# Altium PCB RX8 GPS engine.PcbDoc
Units mm, origin at the board's own origin, x right, y up, seen from the top; angles counter-clockwise.
Board outline 100 x 33 mm, 2 copper layers (Top, Bottom), stack 1.57 mm thick; 53 components, 33 nets, 159 pads, 10 vias.
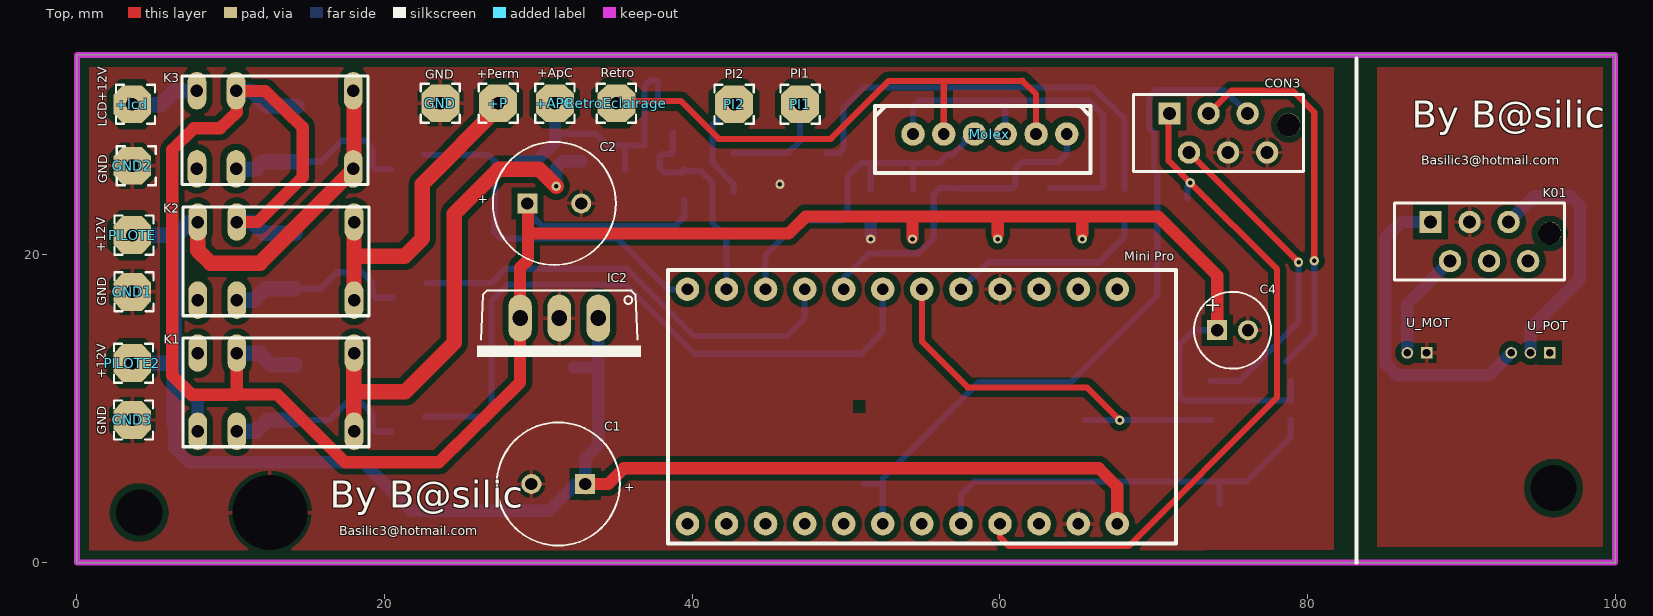
[diagram p0: Top view]
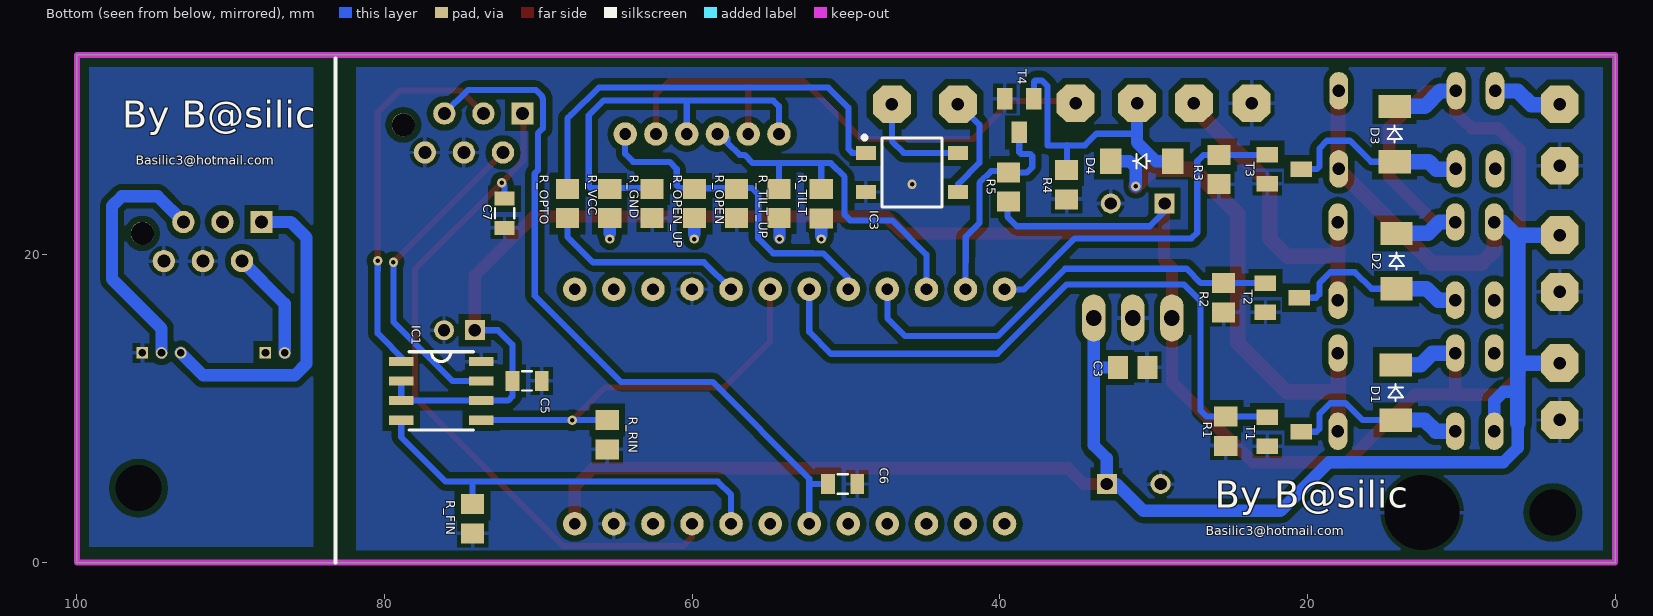
[diagram p1: Bottom view, seen from below]
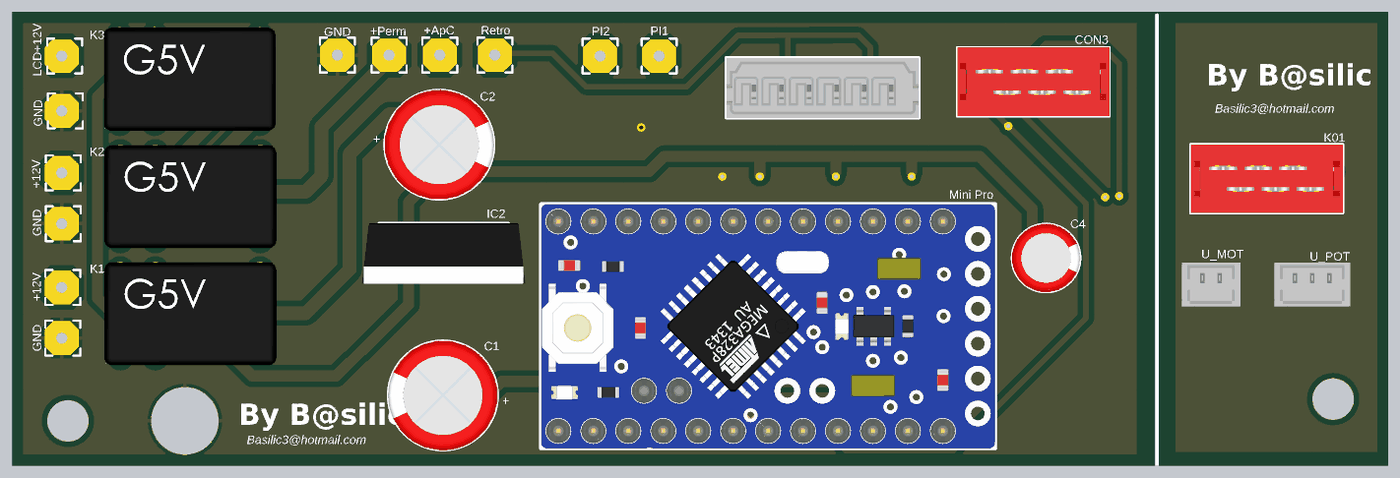
[diagram p2: 3D render of the assembled board from above, using the file's embedded part models]
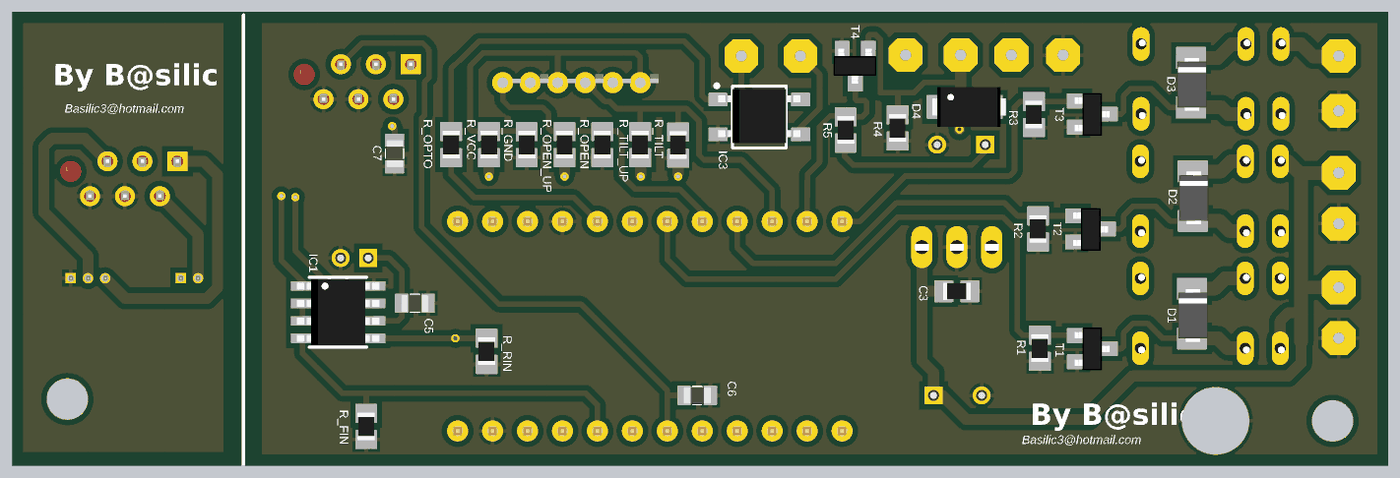
[diagram p3: 3D render of the assembled board from below, using the file's embedded part models]

## Layer stack, top to bottom
Top Solder: solder mask 0.0102, Solder Resist, Dk 3.5
Top: signal copper 0.035
Dielectric 1: core 1.5, FR-4, Dk 4.8
Bottom: signal copper 0.035
Bottom Solder: solder mask 0.0102, Solder Resist, Dk 3.5

## Board outline
0,0 0,33 100,33 100,0

## Design rules (kind name [scope] priority, off if disabled: settings)
AssemblyTestPointUsage SilkToBoardRegionClearance_1 [All] p2:
AssemblyTestPointUsage SilkToBoardRegionClearance_2 [All] p3:
AssemblyTestpoint [All] p1: testpointundercomponent=TRUE minsize=0.6 maxsize=2.54 preferedsize=1.524 minholesize=0 maxholesize=1.016 preferedholesize=0.813 testpointgrid=0.025 usegrid=TRUE gridtolerance=0 allowsidetop=TRUE allowsidebottom=TRUE
BoardOutlineClearance [All] p1: gap=0.8 ignorepadtopadclearanceinfootprint=FALSE
Clearance Clearance_Default [All] p1: gap=0.4 ignorepadtopadclearanceinfootprint=FALSE except(0: Arc-Hole Track-Hole SMDPad-Hole THPad-Hole Via-Hole Fill-Hole Poly-Hole Region-Hole Text-Hole)
ComponentClearance [all and (Testpoint = 'false') vs all and (Testpoint = 'false')] p1: gap=1 collisioncheckmode=3 verticalgap=1 showdistances=TRUE
FabricationTestpoint [All] p1: side=3 testpointundercomponent=TRUE minsize=0.6 maxsize=2.54 preferedsize=1.524 minholesize=0 maxholesize=1.016 preferedholesize=0.813 testpointgrid=0.025 allowsidetop=TRUE allowsidebottom=TRUE usegrid=TRUE gridtolerance=0
HoleSize [All] p1: absolutevalues=TRUE maxlimit=6.35 minlimit=0.3 maxpercent=80.000 minpercent=20.000
MatchedLengths DiffPair_DIFF100MatchedLengths [InDifferentialPairClass('DIFF100')] p1: tolerance=0.152 checknetsindiffpair=TRUE checkdiffpairvsdiffpair=FALSE checkxsignals=FALSE checkothers=FALSE
MinimumSolderMaskSliver [All] p1: minsoldermaskwidth=0.1
MinimumSolderMaskSliver SilkscreenOverComponentPads_2 [All] p2: minsoldermaskwidth=0.254
MinimumSolderMaskSliver SilkToSolderMaskClearance_1 [IsPad] p3: minsoldermaskwidth=0.254
MinimumSolderMaskSliver SilkscreenOverComponentPads_1 [All] p4: minsoldermaskwidth=0.254
MinimumSolderMaskSliver SilkToSolderMaskClearance [IsPad] p5: minsoldermaskwidth=0.254
MinimumSolderMaskSliver SilkscreenOverComponentPads [All] p6: minsoldermaskwidth=0.254
PasteMaskExpansion [All] p1: expansion=0.05
PolygonConnect [All] p1: thpad.connectstyle=Relief thpad.reliefconductorwidth=0.254 thpad.reliefentries=4 thpad.polygonreliefangle="90 Angle" thpad.airgapwidth=0.254 smdpad.connectstyle=Relief smdpad.reliefconductorwidth=0.254 smdpad.reliefentries=4 smdpad.polygonreliefangle="90 Angle" smdpad.airgapwidth=0.254 via.connectstyle=Direct via.reliefconductorwidth=0.254 via.reliefentries=4 via.polygonreliefangle="90 Angle" via.airgapwidth=0.254
RoutingVias [All] p1: holewidth=0.25 width=0.6 viastyle="Through Hole" minholewidth=0.2 minwidth=0.55 maxholewidth=0.25 maxwidth=0.6
ShortCircuit ShortCircuit_1 [All] p1: allowed=FALSE
SilkToSilkClearance [All] p1: silktosilkclearance=0.05
SilkToSolderMaskClearance SilkToSolderMaskClearance_2 [IsPad] p1: minsilkscreentomaskgap=0.01 clearancetoexposedcopper=TRUE
SolderMaskExpansion [All] p1: expansion=0
Width Width_Standard [All] p1: maxlimit=2.54 minlimit=0.4 preferedwidth=1 minimp=50.000000 maximp=50.000000 favimp=50.000000
Width Width_1 [All] p2 off: maxlimit=0.254 minlimit=0.254 preferedwidth=0.254
21 further rules are at their usual default settings.

## Components (designator, comment, footprint, x,y, rotation, side; value= is the part's Value field where it differs from the comment)
+APC "+ApC" 2,54/0,8#1 31.077,29.859 r0 top locked
+lcd "LCD+12V" 2,54/0,8#2 3.81,29.793 r180 top
+P "+Perm" 2,54/0,8#1 27.385,29.859 r0 top locked
C1 "16 Vdc, 330 uF" WCAP-ATG8_8x11.5x3.5 31.297,5.104 r0 top value="330 uF"
C2 "16 Vdc, 330 uF" WCAP-ATG8_8x11.5x3.5 31.038,23.342 r180 top locked value="330 uF"
C3 "100nf" C0805 31.358,12.682 r180 bottom
C4 "10 Vdc, 33 uF" WCAP-ATG8_5x11x2 75.132,15.1 r180 top value="33 uF"
C5 "10V, 1uF" "0805_2x1.25x1.25mm_Reflow Soldering" 70.733,11.805 r0 bottom value=1uF
C6 "10V, 10nF" "0805_2x1.25x1.25mm_Reflow Soldering" 50.215,5.104 r0 bottom value=1uF
C7 "10V, 1uF" "0805_2x1.25x1.25mm_Reflow Soldering" 72.2,22.703 r90 bottom value=1uF
CON3 "690207100672" 690207100672 74.204,27.922 r0 top locked
D1 "BAV20W-7-F" SOD-123_MINI-SMA 14.268,11.05 r270 bottom
D2 "BAV20W-7-F" SOD-123_MINI-SMA 14.208,19.598 r270 bottom locked
D3 "BAV20W-7-F" SOD-123_MINI-SMA 14.335,27.853 r270 bottom locked
D4 "CGRM400*-G" SMA 30.784,26.09 r180 bottom
GND "GND" 2,54/0,8#1 23.63,29.859 r0 top locked
GND1 "GND" 2,54/0,8#3 3.712,17.594 r90 top locked
GND2 "GND" 2,54/0,8#4 3.863,25.795 r90 top locked
GND3 "GND" 2,54/0,8#5 3.683,9.266 r90 top locked
IC1 "BD623*F" SOP8 76.311,11.158 r270 bottom locked
IC2 "7805TV" TO220V 31.353,13.351 r180 top locked
IC3 "AQY212G2S" PNSC-SOP4_V 45.704,25.359 r180 bottom
K01 "690207100672" 690207100672 91.173,20.866 r0 top
K1 "G5V1-5VDC" G5V1 12.938,11.075 r0 top locked
K2 "G5V1-5VDC" G5V1 12.938,19.594 r0 top locked
K3 "G5V1" G5V1 12.885,28.128 r0 top
"Mini Pro" "Mini Pro" "ARDUINO MINI PRO" 39.692,2.518 r0 top locked
Molex "53014-0610" 053014-0610 64.358,27.855 r180 top locked
PI1 "PI1" 2,54/0,8#1 47.015,29.793 r0 top
PI2 "PI2" 2,54/0,8#1 42.723,29.793 r0 top
PILOTE "+12V" 2,54/0,8#3 3.712,21.286 r90 top locked
PILOTE2 "+12V" 2,54/0,8#6 3.683,12.959 r180 top locked
R1 "10k" R0805 25.314,8.535 r270 bottom
R2 "10k" R0805 25.45,17.215 r270 bottom
R3 "10k" R0805 25.755,25.544 r270 bottom
R4 "10k" R0805 35.661,24.554 r270 bottom
R5 "10k" R0805 39.433,24.409 r90 bottom
R_FIN "10k" R0805 74.272,2.85 r270 bottom
R_GND "10k" R0805 62.609,23.342 r90 bottom
R_OPEN "10k" R0805 57.108,23.342 r270 bottom
R_OPEN_UP "10k" R0805 59.858,23.342 r270 bottom
R_OPTO "732R 805" R0805 68.109,23.342 r90 bottom value=780Ohm
R_RIN "10k" R0805 65.522,8.311 r270 bottom
R_TILT "10k" R0805 51.607,23.319 r270 bottom locked
R_TILT_UP "10k" R0805 54.358,23.342 r270 bottom
R_VCC "10k" R0805 65.359,23.342 r90 bottom
RetroEclairage "Retro" 2,54/0,8#1 35.076,29.859 r90 top locked
T1 "2N7002" SOT23 21.513,8.504 r270 bottom
T2 "2N7002" SOT23 21.631,17.215 r270 bottom
T3 "2N7002" SOT23 21.513,25.57 r270 bottom
T4 "2N7002" SOT23 38.732,29.059 r0 bottom
U_MOT "53047-0210" 53047-0210 87.744,13.627 r180 top
U_POT "53047-0310" 53047-0310 95.744,13.627 r180 top

## Footprints (in the part's own frame and the unit in brackets; to place one, negate y for a bottom-side part, rotate by r counter-clockwise, add the part's x,y. Pads: shape width x height; smd on the part's side, far side on the other; paste and mask are expansions set on the pad)
2,54/0,8#1 [mil] "2,54/0,8"
  oct 96.82x96.82 hole 32: 1(0,0)
  silkscreen extent -50,-50 50,50
2,54/0,8#2 [mil] "2,54/0,8"
  oct 96.82x96.82 hole 32: 1(8.27,0)
  silkscreen extent -50,-50 50,50
2,54/0,8#3 [mil] "2,54/0,8"
  oct 96.82x96.82 hole 32: 1(0,4.39)
  silkscreen extent -50,-50 50,50
2,54/0,8#4 [mil] "2,54/0,8"
  oct 96.82x96.82 hole 32: 1(0,10.36)
  silkscreen extent -50,-50 50,50
2,54/0,8#5 [mil] "2,54/0,8"
  oct 96.82x96.82 hole 32: 1(0,3.27)
  silkscreen extent -50,-50 50,50
2,54/0,8#6 [mil] "2,54/0,8"
  oct 96.82x96.82 hole 32: 1(3.27,0)
  silkscreen extent -50,-50 50,50
"0805_2x1.25x1.25mm_Reflow Soldering" [mm] "Ceramic Capacitors, 0805, body 2x1.25mm"
  rect 0.9x1.3 smd: 1(-0.95,0) 2(0.95,0)
  silkscreen extent -0.32,-0.62 0.32,0.63, body extent -1,-0.62 1,0.63, height 1.28
053014-0610 [mil]
  round 60 hole 30: 1(0,0) 2(78.74,0) 3(157.48,0) 4(236.22,0) 5(314.96,0) 6(393.7,0)
  silkscreen extent -61,-71 491,100, body extent -61,-70 491,101, height 233
53047-0210 [mm] "53047-0210"
  rect 0.75x0.75 hole 0.5: P$1(0,0)
  round 0.75 hole 0.5: P$2(1.25,0)
  body extent -1.5,-1.15 2.75,2.05, height 4.23
53047-0310 [mm] "53047-0310"
  rect 0.75x0.75 hole 0.5: P$1(0,0)
  round 0.75 hole 0.5: P$2(1.25,0) P$3(2.5,0)
  body extent -1.48,-1.15 4.02,2.05, height 1.78
690207100672 [mm] "Transition Connector, THT, 06p"
  rect 1.45x1.45 hole 0.85: 1(-3.175,1.27)
  round 1.45 hole 0.85: 2(-1.905,-1.27) 3(-0.635,1.27) 4(0.635,-1.27) 5(1.905,1.27) 6(3.175,-1.27)
  round 1.5 hole 1.5 unplated: ""(4.575,0.53)
  silkscreen extent -5.53,-2.5 5.53,2.5, body extent -5.53,-2.5 5.53,2.5, height 7.1
"ARDUINO MINI PRO" [mil]
  round 60 hole 30: 2(700,600) 3(600,600) 4(500,600) 5(400,600) 6(300,600) 7(200,600) 8(100,600) 9(0,600) 10(0,0) 11(100,0) 12(200,0) 13(300,0) A0(400,0) A1(500,0) A2(600,0) A3(700,0) GND(800,600) GND(1000,0) RAW(1100,0) RST(900,0) RST(900,600) RXI(1000,600) TXO(1100,600) VCC(800,0)
  silkscreen extent -50,-50 1250,650, body extent -50,-50 1250,650, height 248
C0805 [mm] "C0805"
  rect 1.3x1.5 smd: 1(-0.95,0) 2(0.95,0)
  body extent -1,-0.62 1,0.63, height 0.45
G5V1 [mil] "G5V1"
  oval 48x96 hole 32: 1(-200,-100) 2(-100,-100) 5(200,-100) 6(200,100) 9(-100,100) 10(-200,100)
  silkscreen extent -238,-140 238,138, body extent -246,-149 247,147, height 394
PNSC-SOP4_V [mm] "SOP, 4-Leads, Body 4.4x4.3mm, Pitch 2.54mm"
  rect 1.3x0.9 smd: 1(-3,1.27) 2(-3,-1.27) 3(3,-1.27) 4(3,1.27)
  silkscreen extent -3.22,-2.25 1.95,2.39, body extent -3,-1.91 3,2.03, height 1.6
R0805 [mm] "R0805"
  rect 1.3x1.5 smd: 1(-0.95,0) 2(0.95,0)
  body extent -1,-0.64 1,0.61, height 0.45
SMA [mm] "Diode"
  rect 1.4x1.64 smd: A(2.015,0) C(-2.015,0)
  silkscreen extent -0.56,-0.48 0.56,0.48, body extent -2.36,-1.45 2.99,1.45, height 1.95
SOD-123_MINI-SMA [mm] "SOD-123_MINI-SMA"
  rect 1.5x2.1 smd: A(1.8,0) C(-1.8,0)
  silkscreen extent -0.56,-0.48 0.56,0.48, body extent -1.8,-1.01 2.05,1.14, height 1.35
SOP8 [mm] "SOP8"
  rect 0.6x1.6 smd: 1(-1.905,-2.6) 2(-0.635,-2.6) 3(0.635,-2.6) 4(1.905,-2.6) 5(1.905,2.6) 6(0.635,2.6) 7(-0.635,2.6) 8(-1.905,2.6)
  silkscreen extent -2.54,-2.11 2.54,2.09, body extent -2.4,-3 2.41,3, height 1.6
SOT23 [mm] "SOT23"
  rect 1x1.4 smd: 1(-0.95,-1.1) 2(0.95,-1.1) 3(0,1.1)
  body extent -1.52,-1.27 1.58,1.26, height 1.15
TO220V [mil] "TO220V"
  oval 60x120 hole 40: 1(-100,-100) 2(0,-100) 3(100,-100)
  silkscreen extent -210,-170 210,0, body extent -234,-169 234,4, height 752
WCAP-ATG8_5x11x2 [mm] "Aluminum Electrolytic Capacitors, 5x11mm"
  rect 1.3x1.3 hole 0.8: 1(1,0)
  round 1.3 hole 0.8: 2(-1,0)
  silkscreen extent -2.5,-2.5 2.5,2.5, body extent -2.49,-2.5 2.5,2.5, height 11.31
WCAP-ATG8_8x11.5x3.5 [mm] "Aluminum Electrolytic Capacitors, 8x11.5mm"
  rect 1.3x1.3 hole 0.8: 1(1.75,0)
  round 1.3 hole 0.8: 2(-1.75,0)
  silkscreen extent -4,-4 4,4, body extent -3.99,-4 4,4, height 11.81

## Part data
+APC +lcd +P GND GND1 GND2 GND3 PI1 PI2 PILOTE PILOTE2 RetroEclairage: library part 2,54/0,8, "THROUGH-HOLE PAD"
C1 C2: library part 860010374011, "WCAP-ATG8 Aluminum Electrolytic Capacitors, 8x11.5mm, 16 Vdc, 330 uF", Operating Temperature="-40 °C up to +85 °C", Rated Voltage="16 Vdc", ComponentLink1Description=Manufacturer, ComponentLink1URL=http://www.we-online.de, ComponentLink2Description=Datasheet, ComponentLink2URL=http://katalog.we-online.de/pbs/datasheet/860010374011.pdf, Life Cycle=2000h, Part Number=860010374011, Published Date="Sep. 2017", Publisher="Wurth Elektronik", Size=8x11.5mm
C3: library part C-EUC0805, "CAPACITOR, European symbol"
C4: library part 860010272002, "WCAP-ATG8 Aluminum Electrolytic Capacitors, 5x11mm, 10 Vdc, 33 uF", Operating Temperature="-40 °C up to +85 °C", Rated Voltage="10 Vdc", ComponentLink1Description=Manufacturer, ComponentLink1URL=http://www.we-online.de, ComponentLink2Description=Datasheet, ComponentLink2URL=http://katalog.we-online.de/pbs/datasheet/860010272002.pdf, Life Cycle=2000h, Part Number=860010272002, Published Date="Sep. 2017", Publisher="Wurth Elektronik", Size=5x11mm
C5 C6 C7: library part 885012207022, "WCAP-CSGP Ceramic Capacitors, 0805, X7R, 10V, 1uF", Operating Temperature="-55 °C to +125 °C", Rated Voltage="10V DC", Ceramic Type=X7R, ComponentLink1Description=Manufacturer, ComponentLink1URL=http://www.we-online.de, ComponentLink2Description=Datasheet, ComponentLink2URL=http://katalog.we-online.de/pbs/datasheet/885012207022.pdf, Part Number=885012207022, Published Date="Oct. 2017", Publisher="Wurth Elektronik", Size=0805
CON3 K01: "WR-MM Transition Connector, 6 Pins=>Code : WR-MM_Leiterplattenverbinder_690207100672     Details see: http://katalog.we-online.de/en/em/6902_0710_xx_72   Created 2014-06-04, Karrer Zheng 2014 (C) Würth Elektronik"
D1 D2 D3: library part CGRM400*-G, "Molded plasitc,JEDEC SOD-123/Mini SMA   Source: Comchip CGRM4001-G.pdf"
D4: "Molded plasitc,JEDEC SOD-123/Mini SMA   Source: Comchip CGRM4001-G.pdf"
IC1: "H-bridge driver for brush motors   Source: http://www.rohm.com/products/databook/motor/pdf/bd623x_series-e.pdf", MPN=BD6230F-E2, OC_FARNELL=1716264, OC_NEWARK=15R0529
IC2: library part 78*TV, "Positive VOLTAGE REGULATOR   Source: http://cache.national.com/ds/LM/LM78L05.pdf http://www.fairchildsemi.com/ds/LM/LM7805.pdf", GND=GND
IC3: "PhotoMOS GU SOP 1 Form A High Capacity, 60 V Load Voltage, 1.25 A Continuous Load Current, -40 to 85 degC, 4-Pin SOP, Tube, RoHS", Continuous Load Current="1.25 A", Load Voltage="60 V", Manufacturer=Panasonic, On Resistance (Typ)="0.2 Ohm", Appro Proto=RS, PackageDescription="4-Pin Small Outline Package, Body 4.4 x 4.3 mm, Pitch 2.54 mm", PackageReference=SOP4, PartNumber=AQY212G2S, Pb-Free=True, RoHS=True
K1 K2: library part G5V1, "RELAY   1 x switch, 0.5 A/125 V AC, 1 A/24 V DC , Omron", MPN=G5V-1-DC24, OC_FARNELL=9949593, OC_NEWARK=36M6377
  K1: PART=K1
  K2: PART=K2
K3: "RELAY   1 x switch, 0.5 A/125 V AC, 1 A/24 V DC , Omron", MPN=G5V-1-DC24, OC_FARNELL=9949593, OC_NEWARK=36M6377, PART=K1
R1 R2 R3 R4 R5 R_FIN R_GND R_OPEN R_OPEN_UP R_OPTO R_RIN R_TILT R_TILT_UP R_VCC: library part R-EU_R0805, "RESISTOR, European symbol"
T1 T2 T3 T4: library part NTR4003NT3G

## Free pads (board coordinates)
  round 1 hole 3 paste+0: 35(4.05,3.25) 35(95.993,4.834)
  round 1 hole 4.9 paste+0: 35(12.55,3.25)

## Via types
v1: diameter 0.6, hole 0.3, Top to Bottom, 10 vias

## Nets (pads, with @x,y where several pads share a name; then routed paths per layer and width w, separated by ;. In a path a pad name is that pad's centre, name@x,y a point inside that pad or via, vN(x,y) a via of type N, cw(c..) or ccw(c..) an arc to the next point about the centre after c; other vN are vias at no path point)
GND: "Mini Pro.GND" C1.2 C2.2 C3.2 C4.2 C5.1 C6.1 C7.1 CON3.4 CON3.6 GND1.1 GND2.1 GND3.1 GND.1 IC1.8 IC2.2 IC3.2 pad.35@12.55,3.25 R1.2 R2.2 R3.2 R4.2 R_FIN.2 R_GND.1 R_OPEN.2 R_RIN.2 R_TILT.2 T1.2 T2.2 T3.2 T4.2 | length 1
  Bottom w0.8: v1@51.607,21.229 v1@51.612,21.235 ; R_TILT.2 51.612,21.387
  other v1: 51.607,21.026 45.705,24.593
Net+APC_1: +APC.1 D4.A R4.1 T4.1 | length 20.2
  Top w1: +APC.1@31.207,29.729 +APC.1@31.404,29.927 ; +APC.1@31.383,29.286 +APC.1@31.384,29.724
  Bottom w0.4: 31.077,27.869 33.723,27.869 34.474,27.117 35.282,27.117 35.637,27.123 ; +APC.1@31.297,29.888 +APC.1@31.374,29.965 ; +APC.1@31.319,30.02 +APC.1@31.374,29.965 ; +APC.1@31.513,30.103 +APC.1@31.374,29.965 ; R4.1@35.637,25.51 35.637,27.123 ; T4.1 37.782,31.255 37.694,31.343 37.261,31.343 36.906,30.988 36.906,27.117 35.637,27.123
  Bottom w0.8: D4.A 29.851,26.09 31.077,27.316 31.077,27.869 +APC.1
Net+lcd_1: +lcd.1 K3.10 | length 4.2
  Bottom w1: +lcd.1@3.99,29.764 5.445,29.758 6.334,30.647 7.805,30.652 K3.10@7.858,30.653
Net+P_1: +P.1 K2.5 K2.6 | length 21.4
  Top w1: K2.5 K2.6 ; 18.018,19.921 21.32,19.921 22.463,21.064 22.463,24.609 27.535,29.71 +P.1@27.68,29.856 ; +P.1@27.659,29.724 27.692,29.758 27.692,29.86 +P.1@27.691,30.207
NetC6_2: "Mini Pro.A1" C6.2 CON3.5 | length 47.3
  Bottom w0.4: C6.2 52.36,5.104 ; 52.392,2.518 52.392,5.453 58.679,11.74 64.631,11.74 70.236,17.345 70.236,25.293 70.027,25.501 70.027,27.896 69.704,28.219 69.704,30.166 69.773,30.234 69.773,30.333 70.169,30.728 74.573,30.728 CON3.5
NetCON3_2: CON3.2 IC1.7 | length 21.3
  Top w0.4: CON3.2 v1(79.425,19.527)
  Bottom w0.4: IC1.7 75.576,11.793 79.425,15.642 v1(79.425,19.527)
NetCON3_3: CON3.3 IC1.1 | length 25.1
  Top w0.4: CON3.3 75.067,30.69 79.017,30.69 80.441,29.266 v1(80.441,19.614)
  Bottom w0.4: IC1.1@78.61,13.063 80.45,14.904 80.45,18.988 80.441,18.997 v1(80.441,19.614)
NetD1_A: D1.A K1.2 T1.3 | length 12.4
  Top w0.4: K1.2 K1.2@10.704,8.535
  Bottom w0.4: D1.A@14.208,9.266 16.428,9.266 17.517,10.354 18.519,10.354 19.227,9.646 19.227,8.692 19.415,8.504 T1.3
  Bottom w1: K1.2 11.654,8.535 12.385,9.266 D1.A@14.208,9.266
NetD2_A: D2.A K2.2 T2.3 | length 12
  Bottom w0.4: D2.A 15.836,17.798 16.911,18.873 18.519,18.873 19.227,18.165 19.227,17.443 19.455,17.215 T2.3
  Bottom w1: K2.2 11.516,17.054 12.261,17.798 D2.A
NetD3_A: D3.A K3.2 T3.3 | length 12.2
  Bottom w0.4: D3.A 15.865,26.053 17.226,27.414 18.734,27.414 19.227,26.893 19.227,25.74 19.397,25.57 T3.3
  Bottom w1: K3.2@10.398,25.573 11.632,25.573 12.112,26.053 D3.A
NetD4_C: D4.C K1.5 K1.6 | length 32.6
  Top w1: K1.5@18.007,8.546 18.007,11.089 ; K1.6@18.007,13.605 18.007,11.089 ; v1(31.165,24.456) 30.05,25.57 27.429,25.57 24.528,22.669 24.528,14.274 21.343,11.089 18.007,11.089
  Bottom w0.8: v1(31.165,24.456) 31.165,25.677 31.578,26.09 D4.C
NetIC1_4: "Mini Pro.A3" IC1.4 R_FIN.1 | length 27.4
  Bottom w0.4: 57.472,2.518 57.472,4.403 58.332,5.263 76.016,5.263 78.911,8.157 IC1.4 ; R_FIN.1 74.272,5.209
NetIC1_5: "Mini Pro.3" IC1.5 R_RIN.1 | length 26.6
  Top w0.4: 54.932,17.758 54.932,14.368 57.914,11.385 65.663,11.385 v1(67.794,9.253)
  Bottom w0.4: R_RIN.1@65.53,9.253 v1(67.794,9.253) IC1.5
NetIC3_1: IC3.1 R_OPTO.2 | length 28.1
  Bottom w0.4: IC3.1 49.589,26.629 49.847,26.887 49.847,27.813 49.847,29.559 51.157,30.87 66.065,30.87 67.875,29.109 68.109,28.875 R_OPTO.2
NetIC3_3: IC3.3 PI2.1 | length 7.1
  Bottom w0.4: IC3.3 42.704,24.602 41.325,25.981 41.325,28.462 PI2.1@42.723,29.86 ; PI2.1@43.198,29.573 PI2.1@43.418,29.573
NetIC3_4: IC3.4 PI1.1 | length 7
  Bottom w0.4: IC3.4 46.251,26.629 47.015,27.393 PI1.1
NetK01_1: K01.1 U_POT.P$3 | length 20.6
  Bottom w0.8: K01.1 86.09,22.136 85.077,21.122 85.077,12.929 85.842,12.165 91.782,12.165 U_POT.P$3
NetK01_2: K01.2 U_MOT.P$2 | length 7.1
  Bottom w0.8: U_MOT.P$2 86.494,16.822 K01.2
NetK01_3: K01.3 U_MOT.P$1
NetK01_4: K01.4 K01.6 U_POT.P$1
NetK01_5: K01.5 U_POT.P$2 | length 16.5
  Bottom w0.8: K01.5 94.743,23.801 97.082,23.801 97.713,23.17 97.713,18.436 94.494,15.218 U_POT.P$2
"NetMini Pro_2": "Mini Pro.2" R_OPTO.1 | length 13.2
  Bottom w0.4: 57.472,17.758 59.232,19.518 66.458,19.518 ; 66.529,19.589 68.109,21.17 R_OPTO.1
"NetMini Pro_4": "Mini Pro.4" R1.1 T1.1 | length 42.7
  Bottom w0.4: T1.1@22.644,9.485 R1.1 26.563,9.485 26.954,9.876 26.954,16.999 28.034,18.08 35.649,18.08 40.158,13.571 50.977,13.571 52.392,14.986 52.392,17.758
"NetMini Pro_5": "Mini Pro.5" Molex.1 R_OPEN.1 R_OPEN_UP.1 | length 21.5
  Bottom w0.4: 49.852,18.471 51.481,20.094 52.148,20.094 52.159,20.105 54.739,20.105 55.708,21.073 55.708,23.943 56.108,24.344 57.056,24.344 57.065,24.335 60.825,24.335 61.007,24.517 61.007,25.58 61.472,26.045 63.835,26.045 64.358,26.568 Molex.1 Molex.1@64.344,27.855
"NetMini Pro_6": "Mini Pro.6" R2.1 T2.1 | length 29.1
  Bottom w0.4: T2.1 R2.1 26.927,18.165 27.863,19.102 35.759,19.102 40.146,14.714 46.151,14.714 47.312,15.875 47.312,17.758
"NetMini Pro_7": "Mini Pro.7" Molex.4 R_TILT.1 R_TILT_UP.1 | length 24
  Bottom w0.4: 44.772,17.758 44.772,20.013 47.001,22.242 49.735,22.242 50.088,22.595 50.088,25.063 50.989,25.964 56.067,25.964 56.597,26.493 56.922,26.493 57.72,27.291 57.72,27.616 57.959,27.855 Molex.4 ; R_TILT.1 51.607,25.959 ; R_TILT_UP.1 54.358,25.916
"NetMini Pro_8": "Mini Pro.8" R5.2 T4.3 | length 14.3
  Bottom w0.4: T4.3 38.732,26.673 38.611,26.552 38.027,26.552 37.896,26.421 37.896,25.69 38.227,25.359 R5.2 ; R5.2@39.354,25.443 R5.2@39.481,25.57 ; R5.2@39.481,25.443 40.558,25.441 40.558,25.44 41.325,24.672 41.325,22.066 42.214,21.177 42.232,17.758
"NetMini Pro_9": "Mini Pro.9" R3.1 T3.1 | length 23.8
  Bottom w0.4: T3.1 22.639,26.494 R3.1@25.574,26.494 ; R3.1@25.376,26.434 R3.1@25.574,26.494 ; R3.1@25.74,26.544 R3.1@25.574,26.494 ; 39.692,17.758 38.423,17.758 35.117,21.064 27.543,21.064 27.162,21.445 27.162,26.091 26.758,26.494 R3.1 R3.1@25.574,26.494
NetMolex_2: Molex.2 Molex.5 RetroEclairage.1 | length 36.1
  Top w0.4: RetroEclairage.1@34.885,30.304 RetroEclairage.1@35.084,30.105 ; RetroEclairage.1@35.356,29.992 39.274,29.992 41.724,27.541 49.01,27.541 52.762,31.293 54.785,31.293 56.357,31.3 ; Molex.5 56.358,31.242 ; 56.415,31.3 61.473,31.322 62.358,30.437 Molex.2
NetMolex_3: Molex.3 Molex.6 R_GND.2 R_VCC.2 | length 25
  Bottom w0.4: Molex.6 54.358,29.663 54.723,30.028 65.776,30.028 66.725,29.079 66.725,24.49 66.579,24.344 R_GND.2@63.256,24.344 ; Molex.3 60.358,30.011
VCC: C2.1 C4.1 C5.2 D1.C D2.C D3.C IC1.2 IC1.3 IC1.6 IC2.3 K1.9 K2.9 K3.9 R5.1 R_OPEN_UP.2 R_TILT_UP.2 R_VCC.1 | length 174.3
  Top w0.8: 10.398,10.911 7.452,10.911 6.2,12.163 6.2,26.83 7.604,28.234 9.318,28.234 10.398,29.25 10.398,30.653 12.247,30.653 12.372,30.527 14.687,28.295 14.687,25.059 11.762,22.134 K2.9 ; K1.9 10.398,10.923 13.027,10.923 17.434,6.516 23.536,6.516 28.813,11.704 IC2.3 28.813,19.159 29.325,19.672 29.325,21.392 ; C2.1@29.325,23.446 29.325,21.392 ; v1@54.325,21.105 54.325,22.415 54.406,22.496 ; 59.858,21.35 59.858,22.496 ; 65.359,21.387 65.359,22.496 ; C4.1 74.132,18.664 70.3,22.496 65.359,22.496 ; 29.325,21.392 46.278,21.392 47.39,22.496 54.406,22.496 ; 54.406,22.496 59.858,22.496 ; 59.858,22.496 65.359,22.496
  Bottom w0.4: C2.1@28.894,23.228 30.257,21.864 38.884,21.864 39.507,22.487 39.507,22.588 39.483,23.459 39.483,23.46 R5.1@39.481,23.543 ; C4.1 72.632,15.1 71.683,14.151 C5.2 71.683,10.804 71.964,10.523 IC1.6 IC1.3 IC1.2
  Bottom w0.8: v1@54.325,21.105 54.325,22.359 R_TILT_UP.2 ; 59.858,21.35 R_OPEN_UP.2 ; 65.359,21.387 R_VCC.1
  Bottom w1: K1.9 11.877,13.615 12.626,12.867 D1.C@14.208,12.867 ; K2.9 11.418,22.134 12.153,21.398 D2.C ; K3.9@10.398,30.653 11.373,30.653 12.372,29.653 D3.C
  other v1: 54.325,21.026 59.858,21.026 65.359,21.026
VCC_ARDUINO: "Mini Pro.VCC" C7.2 CON3.1 | length 45.6
  Top w0.4: 60.012,2.518 60.012,1.638 60.577,1.073 68.371,1.073 78.028,10.73 78.028,19.05 v1(72.384,24.694) 70.974,26.104 CON3.1@70.974,29.192
  Bottom w0.4: C7.2 72.2,24.51 v1(72.384,24.694)
VDD: "Mini Pro.RAW" C1.1 C3.1 IC2.1 K1.1 K2.10 K3.5 K3.6 PILOTE2.1 PILOTE.1 | length 124.9
  Top w0.8: C1.1 C1.1@33.399,5.104 ; C1.1@33.103,4.808 C1.1@33.399,5.104 ; 67.632,3.231 67.632,4.927 66.436,6.123 35.56,6.123 34.541,5.104 C1.1@33.399,5.104
  Top w1: K2.10 7.858,20.287 8.681,19.463 11.908,19.463 18.018,25.573 K3.6@18.018,30.653
  Bottom w0.8: 6.334,9.043 6.334,7.456 7.274,6.516 18.601,6.516 21.76,3.358 30.664,3.358 32.411,5.104 C1.1 33.047,6.775 33.893,7.62 33.893,12.682 ; 6.334,11.105 7.258,11.105 7.858,10.505 K1.1 K1.1@7.921,8.598 ; C3.1 33.893,12.682 ; IC2.1@33.893,16.746 IC2.1 33.893,12.682
  Bottom w1: PILOTE2.1@3.683,12.959 6.2,12.959 ; PILOTE.1@3.733,21.265 6.334,21.265 ; 6.334,9.043 6.334,11.105 6.334,21.265 ; K2.10 7.311,22.134 6.442,21.265 6.334,21.265
pads on no net: "Mini Pro.10" "Mini Pro.11" "Mini Pro.12" "Mini Pro.13" "Mini Pro.A0" "Mini Pro.A2" "Mini Pro.RST" "Mini Pro.RXI" "Mini Pro.TXO" CON3. K01. K1.10 K2.1 K3.1

## Polygon pours and split planes (outlines as drawn)
NetK01_4 on Bottom "Bottom-NetK01_4" (solid, pour order 12): 84.632,33 100.05,33 100.05,1.009 84.632,1.009
GND on Bottom "Bottom-GND" (solid, pour order 6): 0.465,33.016 81.838,33.016 81.838,0.721 0.465,0.721
no net on Bottom "Bottom-No Net" (solid, pour order 2): 77.073,11.724
NetK01_3 on Top "Top-NetK01_3" (solid, pour order 14): 84.548,33 100.05,33 100.05,1.009 84.548,1.009
no net on Top "Top-No Net" (solid, pour order 10): 10.391,49.228
GND on Top "Top-GND" (solid, pour order 8): 0.213,32.705 81.711,32.705 81.711,0.829 0.213,0.612

## Keep-outs
Keep-Out Layer:
  the board outline again, w0.4

## Silkscreen, mask and mechanical layers (free items; w line width, h text height)
Top Overlay:
  lines w0.254: 83.185,0 83.185,32.766
  text "By B@silic" at 86.795,27.675 h3
  text "Basilic3@hotmail.com" at 87.404,25.675 h1
  text "By B@silic" at 16.437,2.977 h3
  text "Basilic3@hotmail.com" at 17.046,1.58 h1
Bottom Overlay:
  lines w0.254: 83.185,0 83.185,32.766
  text "By B@silic" at 97.05,27.675 h3
  text "Basilic3@hotmail.com" at 96.189,25.675 h1
  text "By B@silic" at 26.018,2.977 h3
  text "Basilic3@hotmail.com" at 26.627,1.58 h1
Dimension:
  the board outline again, w0.1

## Text inside footprints (layer, text, board x,y; h text height)
C1: Top Overlay "+" at 35.597,4.404 h1
C2: Top Overlay "+" at 26.738,24.042 h1 r180
C4: Top Overlay "+" at 74.421,17.108 h1 r180
IC2: Assembly Top "1" at 34.063,15.259 h1.97; Assembly Top "2" at 31.001,14.416 h1.97; Assembly Top "3" at 28.624,15.28 h1.97